# Altium PCB KAY1024_ATX.PcbDoc (part 2 of 4) (continued)
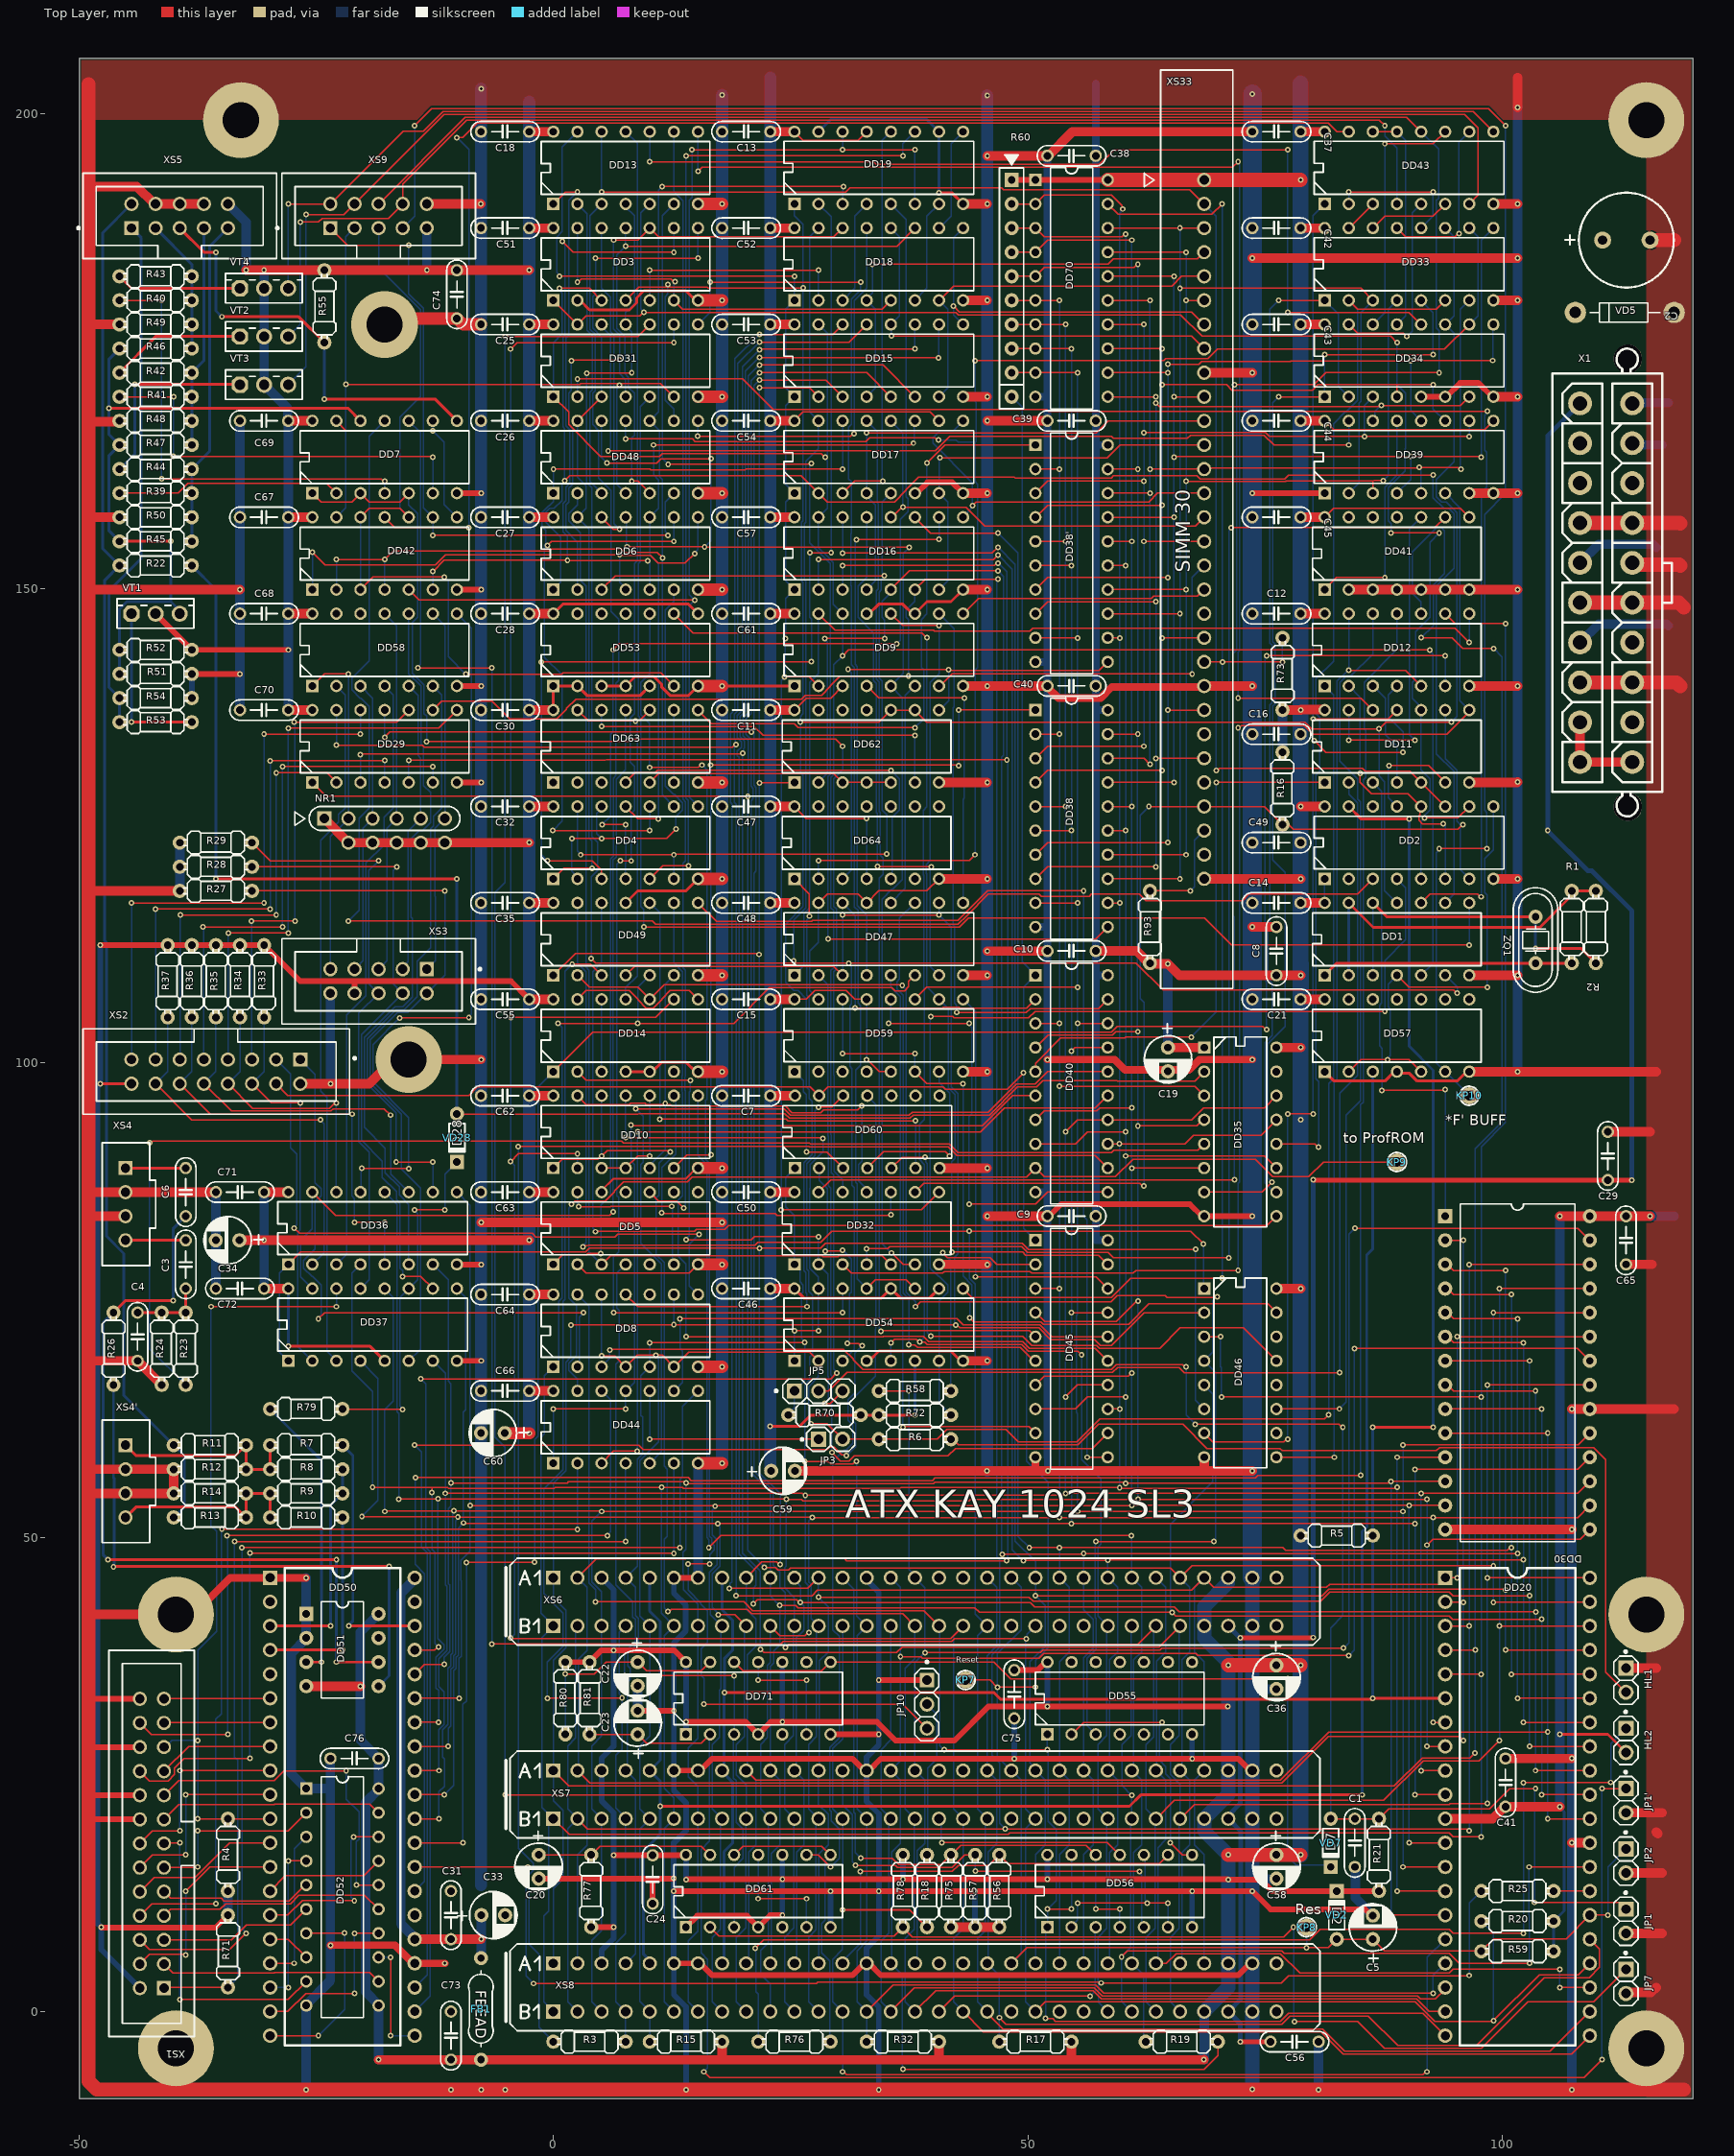
[diagram p0: Top Layer view]
## Nets (pads, with @x,y where several pads share a name; then routed paths per layer and width w, separated by ;. In a path a pad name is that pad's centre, name@x,y a point inside that pad or via, vN(x,y) a via of type N, cw(c..) or ccw(c..) an arc to the next point about the centre after c; other vN are vias at no path point) (continued)
*RFSH/: DD20.28 DD31.10 XS6.B25 XS7.B25 XS8.B25 | length 339.1
  Top Layer w0.15: v1(-5.08,22.86) -5.049,22.829 60.923,22.829 v1(60.954,22.798) ; v1(-5.08,176.53) 8.89,176.53 DD31.10@10.16,177.8 ; v1(59.873,5.763) 60.495,6.385 65.471,6.385 65.491,6.405 76.749,6.405 77.037,6.117 94.41,6.117 95.447,5.08 v1(102.87,5.08) ; v1(102.825,15.24) DD20.28@109.22,15.24
  Bottom Layer w0.15: v1(-5.08,22.86) -5.08,59.47 -6.145,60.535 -6.145,117.939 -5.089,118.996 -5.089,176.521 v1(-5.08,176.53) ; XS7.B25@60.957,20.329 60.957,22.795 v1(60.954,22.798) 59.935,23.817 59.935,28.147 60.862,29.074 60.862,40.542 XS6.B25@60.96,40.64 ; XS8.B25@60.96,0 59.873,1.087 v1(59.873,5.763) 60.853,6.743 60.853,20.213 XS7.B25@60.96,20.32 ; v1(102.825,15.24) 102.825,10.182 102.87,10.138 v1(102.87,5.08)
*RS: DD30.27 R58.2 XS6.A16 XS7.A16 XS8.A16 | length 179.8
  Top Layer w0.15: R58.2@34.29,65.405 v1(37.465,65.405) ; v1(39.152,37.831) 51.339,37.831 51.608,38.1 63.924,38.1 64.132,38.307 v1(83.271,38.307) ; v1(84.455,82.55) 107.95,82.55 DD30.27@109.22,81.28
  Bottom Layer w0.15: v1(37.465,65.405) 37.465,46.584 38.1,45.949 XS6.A16@38.1,45.72 39.152,44.668 v1@39.152,37.834 ; XS8.A16@38.1,5.08 38.345,5.325 38.345,16.935 39.125,17.715 39.125,24.375 XS7.A16@38.1,25.4 38.1,36.779 v1(39.152,37.831) ; v1(83.271,38.307) 83.837,38.873 83.837,81.932 v1(84.455,82.55)
*TURBO: DD8.4 DD8.6 DD8.12 DD12.1 DD54.2 JP3.2 R6.2 R15.2 XS6.B5 XS7.B5 XS8.B5 | length 249.2
  Top Layer w0.15: v1(5.08,69.095) 6.47,69.095 DD8.4@7.62,67.945 8.838,69.163 v1(10.817,69.163) 11.482,69.163 DD8.6@12.7,67.945 14.26,69.505 27.015,69.505 DD54.2@27.94,68.58 ; v1(27.145,61.958) 28.847,61.958 JP3.2@30.48,60.325 R6.2@34.29,60.325 40.46,60.325 41.485,61.35 47.668,61.35 48.983,60.035 55.166,60.035 57.591,62.46 81.28,62.46 v1(81.705,62.885)
  Bottom Layer w0.15: v1(5.08,69.095) DD8.12@5.08,75.565 ; R15.2@10.16,-3.175 XS8.B5@10.16,0 9.096,1.064 9.096,19.256 XS7.B5@10.16,20.32 9.135,21.345 9.135,28.005 10.16,29.03 XS6.B5@10.16,40.64 9.135,41.665 9.135,58.068 11.085,60.018 11.085,68.773 10.817,69.041 v1(10.817,69.163) ; v1(27.145,61.958) 27.145,62.08 26.89,62.335 26.89,65.84 27.94,66.89 DD54.2@27.94,68.58 ; DD12.1@81.28,139.7 82.205,138.775 82.205,98.296 81.705,97.796 v1(81.705,62.885)
*WAIT/: DD7.10 DD20.24 R20.1 XS6.B21 XS7.B21 XS8.B21 | length 309.4
  Top Layer w0.15: v1(-14.282,141.605) v1(-6.47,141.605) ; v1(-6.47,38.735) 23.966,38.735 24.246,39.015 41.979,39.015 42.261,39.297 v1(49.847,39.297) ; XS8.B21@50.8,0 51.825,1.025 90.839,1.025 92.901,-1.037 v1@99.068,-1.037 ; v1(99.068,-0.963) 103.908,3.877 108.017,3.877 DD20.24@109.22,5.08
  Bottom Layer w0.15: DD7.10@-15.24,167.64 -14.015,166.415 -14.015,141.994 -14.282,141.727 v1(-14.282,141.605) ; v1(-6.47,38.735) v1(-6.47,141.605) ; XS8.B21@50.8,0 49.775,1.025 49.775,19.295 XS7.B21@50.8,20.32 49.775,21.345 49.775,39.225 v1(49.847,39.297) 49.933,39.383 49.933,39.773 XS6.B21@50.8,40.64 ; R20.1@97.79,9.525 99.068,8.247 v1(99.068,-0.963)
*WR/: DD20.22 DD46.1 DD49.13 XS6.B19 XS7.B19 XS8.B19 | length 259.9
  Top Layer w0.15: v1(3.137,80.61) 3.223,80.697 3.612,80.697 3.691,80.775 21.229,80.775 21.548,81.094 28.178,81.094 29.333,82.249 43.824,82.249 v1@43.826,82.251 ; v1(43.828,82.249) 67.167,82.249 v1(68.506,80.91) ; XS8.B19@45.72,0 45.72,-0.178 47.392,-1.85 81.052,-1.85 83.379,-4.177 105.043,-4.177 DD20.22@109.22,0
  Bottom Layer w0.15: DD49.13@2.54,116.84 2.557,116.823 2.557,110.511 3.465,109.603 3.465,81.025 3.137,80.697 v1(3.137,80.61) ; v1(43.828,82.249) 43.828,77.285 44.45,76.662 44.45,41.91 XS6.B19@45.72,40.64 44.695,39.615 44.695,21.345 XS7.B19@45.72,20.32 45.513,20.113 45.513,8.503 44.695,7.685 44.695,1.025 XS8.B19@45.72,0 ; v1(68.506,80.91) 68.506,76.274 DD46.1@68.58,76.2
+3.3V: X1.1 X1.2 X1.11 | length 9.7
  Top Layer w1: X1.2@108.189,135.881 X1.1@108.189,131.681 X1.11@113.689,131.681
+5V: C2.1 C7.1 C8.1 C9.1 C10.1 C11.1 C12.1 C13.1 C14.1 C15.1 C16.1 C18.1 C19.1 C21.1 C24.1 C25.1 C26.1 C27.1 C28.1 C30.1 C32.1 C34.1 C35.1 C36.1 C37.1 C38.1 C39.1 C40.1 C41.1 C42.1 C43.1 C44.1 C45.1 C46.1 C47.1 C48.1 C49.1 C50.1 C51.1 C52.1 C53.1 C54.1 C55.1 C57.1 C58.1 C59.1 C60.1 C61.1 C62.1 C63.1 C64.1 C65.1 C66.1 C67.1 C68.1 C69.1 C70.1 C71.1 C72.1 C73.1 C74.1 C75.1 C76.1 DD1.14 DD2.1 DD2.16 DD3.14 DD4.14 DD5.14 DD6.14 DD7.14 DD8.14 DD9.3 DD9.16 DD10.14 DD11.14 DD12.14 DD13.14 DD14.14 DD15.16 DD16.16 DD17.10 DD17.16 DD18.16 DD19.13 DD19.16 DD20.11 DD29.14 DD30.28 DD31.14 DD32.14 DD33.16 DD34.16 DD35.1 DD35.16 DD36.16 DD37.5 DD37.16 DD38'.20 DD38.20 DD39.9 DD39.16 DD40.20 DD41.8 DD41.14 DD42.14 DD43.16 DD44.14 DD45.20 DD46.16 DD47.16 DD48.14 DD49.14 DD51.4 DD51.8 DD52.11 DD52.20 DD53.1 DD53.2 DD53.5 DD53.8 DD53.14 DD54.6 DD54.10 DD54.12 DD54.16 DD55.14 DD56.14 DD57.14 DD58.14 DD59.5 DD59.13 DD59.16 DD60.14 DD61.1 DD61.4 DD61.10 DD61.14 DD62.14 DD63.14 DD64.4 DD64.14 DD70.1 DD70.20 DD71.1 DD71.4 DD71.10 DD71.14 FB1.2 HL2.2 NR1.1 R4.2 R5.2 R15.1 R16.2 R17.1 R20.2 R21.1 R32.1 R33.2 R34.2 R35.2 R36.2 R37.2 R52.1 R55.1 R59.1 R60.1 R70.1 R71.2 R72.2 R73.2 R77.1 R78.2 R80.2 R81.2 R93.2 VD2.2 VD5.2 VT1.K VT2.K VT3.K VT4.K X1.4 X1.6 X1.19 X1.20 XS1.2 XS2.16 XS3.8 XS5.10 XS6.A3 XS6.A29 XS6.B28 XS7.A3 XS7.A29 XS7.B28 XS8.A3 XS8.A29 XS8.B28 XS9.9 XS33.1 XS33.30 | length 1943.9
  Top Layer w0.15: DD59.16@25.4,106.68 26.632,106.68 27.557,107.605 30.863,107.605 31.788,106.68 DD59.13@33.02,106.68 ; DD64.14@25.4,127 26.67,125.73 v1(33.02,125.73) ; DD62.14@25.4,137.16 26.67,138.43 29.21,138.43 DD9.3@30.48,139.7 ; DD17.16@25.4,167.64 26.325,168.565 39.715,168.565 DD17.10@40.64,167.64 ; DD19.16@25.4,198.12 26.325,197.195 32.095,197.195 DD19.13@33.02,198.12 ; v1(33.02,100.33) 33.058,100.33 34.328,99.06 DD59.5@35.56,99.06 ; DD41.14@81.28,157.48 82.205,158.405 95.595,158.405 DD41.8@96.52,157.48 ; DD39.16@81.28,167.64 82.205,166.715 98.135,166.715 DD39.9@99.06,167.64
  Top Layer w0.3: v1(-47.726,97.79) XS2.16@-44.45,97.79 ; v1(-27.94,70.105) -19.305,70.105 DD37.5@-17.78,68.58 ; DD63.14@0,137.16 DD53.1@0,139.7 DD53.2@2.54,139.7 3.54,138.7 9.16,138.7 DD53.5@10.16,139.7 ; DD53.14@0,147.32 1,148.32 14.24,148.32 DD53.8@15.24,147.32 ; v1(22.86,61.661) 25.929,61.661 27.133,62.865 R70.1@32.385,62.865 R72.2@34.29,62.865 v1(38.1,62.865) ; DD54.16@25.4,76.2 26.4,75.2 34.56,75.2 DD54.12@35.56,76.2 36.56,75.2 39.64,75.2 DD54.10@40.64,76.2 ; v1(106.045,29.21) 111.125,29.21 HL2.2@113.03,27.305
  Top Layer w0.6: v1(-47.726,112.395) R37.2@-40.64,112.395 R36.2@-38.1,112.395 R35.2@-35.56,112.395 R34.2@-33.02,112.395 R33.2@-30.48,112.395 -26.686,108.601 -20.955,108.601 ; v1(-47.625,8.89) -47.581,8.846 -35.604,8.846 R4.2@-34.29,10.16 ; VT1.K@-41.91,147.32 R52.1@-38.1,143.51 v1(-27.937,143.51) ; XS3.8@-20.955,107.315 -20.955,108.601 ; C55.1@-2.621,106.68 -2.621,106.761 -4.461,108.601 -20.955,108.601 ; R80.2@1.27,36.83 R81.2@3.81,36.83 5.06,38.08 v1(6.35,38.08) 12.72,38.08 DD71.14@13.97,36.83 ; R77.1@3.992,8.89 v1(6.35,8.89) ; v1(6.35,16.468) 6.353,16.464 C24.1@10.471,16.464 10.494,16.487 13.947,16.487 DD61.14@13.97,16.51 ; DD61.1@13.97,8.89 15.169,10.089 20.391,10.089 DD61.4@21.59,8.89 22.86,10.16 v1(24.13,10.16) ; v1(13.97,30.529) 20.271,30.529 DD71.4@21.59,29.21 22.909,30.529 v1(24.13,30.529) 34.103,30.529 36.061,28.57 42.271,28.57 45.863,32.162 v1(52.073,32.162) 71.09,32.162 v1(71.093,32.16) ; v1(13.98,13.905) 14.045,13.97 v1(24.13,13.97) v1(36.83,13.97) v1(52.07,13.97) 71.055,13.97 v1(71.12,13.905) 74.537,13.905 75.742,12.7 VD2.2@82.55,12.7 R21.1@86.995,12.7 ; R60.1@48.299,193.04 DD70.1@50.8,193.04 DD70.20@58.42,193.04 ; C75.1@48.573,35.979 51.03,35.979 51.881,36.83 DD55.14@52.07,36.83
  Top Layer w1: C34.1@-33.077,81.283 -33.073,81.28 v1(-30.48,81.28) v1(-2.537,81.28) ; v1(-32.385,183.528) -32.372,183.515 v1(-30.48,183.515) ; C72.1@-30.48,76.2 DD37.16@-27.94,76.2 ; C71.1@-30.48,86.36 DD36.16@-27.94,86.36 ; v1@-30.467,183.528 -24.143,183.528 R55.1@-24.13,183.515 ; C70.1@-27.94,137.16 DD29.14@-25.4,137.16 ; C68.1@-27.94,147.32 DD58.14@-25.4,147.32 ; C67.1@-27.94,157.48 DD42.14@-25.4,157.48 ; C69.1@-27.94,167.64 DD7.14@-25.4,167.64 ; DD51.4@-26.035,34.29 v1(-20.347,34.29) ; NR1.1@-24.13,125.73 NR1.1@-21.59,123.19 NR1.1@-19.05,123.19 NR1.1@-16.51,123.19 NR1.1@-13.97,123.19 NR1.1@-11.43,123.19 v1(-2.537,123.19) ; R55.1@-24.117,183.528 -13.348,183.528 v1(-13.335,183.515) C74.1@-10.16,183.515 v1(-2.557,183.515) ; v1(-18.415,-5.08) C73.1@-10.795,-5.08 FB1.2@-7.62,-5.08 17.78,-5.08 ; C55.1@-2.621,106.68 C55.1@-2.54,106.68 DD14.14@0,106.68 ; C66.1@-2.54,65.405 DD44.14@0,65.405 ; C64.1@-2.54,75.565 DD8.14@0,75.565 ; C63.1@-2.54,86.363 -2.537,86.36 -0.003,86.36 DD5.14@0,86.363 ; C62.1@-2.54,96.52 DD10.14@0,96.52 ; C35.1@-2.54,116.84 DD49.14@0,116.84 ; C32.1@-2.54,127 DD4.14@0,127 ; C30.1@-2.54,137.16 DD63.14@0,137.16 ; C28.1@-2.54,147.32 DD53.14@0,147.32 ; C27.1@-2.54,157.48 DD6.14@0,157.48 ; C26.1@-2.54,167.64 DD48.14@0,167.64 ; C25.1@-2.54,177.8 DD31.14@-0.017,177.8 ; C51.1@-2.54,187.96 DD3.14@0,187.96 ; C18.1@-2.54,198.12 DD13.14@0,198.12 ; R15.1@17.78,-3.175 17.78,-5.08 ; C46.1@22.86,76.2 DD54.16@25.4,76.2 ; C50.1@22.86,86.36 DD32.14@25.4,86.36 ; C7.1@22.86,96.52 DD60.14@25.4,96.52 ; C15.1@22.86,106.68 DD59.16@25.4,106.68 ; C48.1@22.86,116.84 DD47.16@25.4,116.84 ; C47.1@22.86,127 DD64.14@25.4,127 ; C11.1@22.86,137.16 DD62.14@25.4,137.16 ; C61.1@22.86,147.32 DD9.16@25.4,147.32 ; C57.1@22.86,157.48 DD16.16@25.4,157.48 ; C54.1@22.86,167.64 DD17.16@25.4,167.64 ; C53.1@22.86,177.8 DD15.16@25.4,177.8 ; C52.1@22.86,187.96 DD18.16@25.4,187.96 ; C13.1@22.86,198.12 DD19.16@25.4,198.12 ; R32.1@40.64,-3.175 40.64,-5.08 ; R17.1@54.61,-3.175 54.61,-5.08 ; C10.1@57.15,111.77 61.45,111.77 62.73,110.49 R93.2@62.865,110.49 62.942,110.413 v1(64.767,110.413) 65.96,109.22 C8.1@76.2,109.22 v1(78.74,109.22) ; C19.1@64.77,101.6 DD35.1@68.58,101.6 ; v1(68.566,-5.08) 54.61,-5.08 ; XS33.30@68.58,119.38 v1(78.74,119.38) ; DD46.16@76.2,76.2 v1(78.74,76.2) ; DD35.16@76.2,101.6 v1(78.74,101.6) ; R73.2@76.835,137.16 v1(78.74,137.16) 78.809,137.229 80.504,137.229 80.516,137.217 81.223,137.217 DD11.14@81.28,137.16 ; C21.1@78.74,106.68 DD57.14@81.28,106.68 ; C14.1@78.74,116.84 DD1.14@81.28,116.84 ; v1(78.74,127) DD2.16@81.28,127 ; C12.1@78.74,147.32 DD12.14@81.28,147.32 ; C45.1@78.74,157.48 DD41.14@81.28,157.48 ; C44.1@78.74,167.64 DD39.16@81.28,167.64 ; C43.1@78.74,177.8 DD34.16@81.28,177.8 ; C42.1@78.74,187.96 DD33.16@81.28,187.96 ; C37.1@78.74,198.12 DD43.16@81.28,198.12 ; DD20.11@93.98,20.32 98.979,20.32 100.249,21.59 C41.1@100.33,21.59 v1(106.045,21.59) ; v1(106.045,83.82) DD30.28@109.22,83.82 C65.1@113.03,83.82 v1(115.57,83.82) ; 17.78,-5.08 40.64,-5.08 ; 40.64,-5.08 54.61,-5.08
  Top Layer w1.3: C60.1@-5.12,60.96 -5.107,60.947 v1(-2.54,60.947)
  Top Layer w1.5: DD70.20@58.42,193.04 XS33.1@68.58,193.04 v1(78.74,193.04) ; v1(71.12,16.51) C58.1@76.2,16.51 v1(78.74,16.51) ; v1(71.12,36.49) C36.1@76.2,36.49 v1(78.74,36.49)
  Bottom Layer w0.15: v1(33.02,100.33) DD59.13@33.02,106.68 ; DD64.4@33.02,119.38 v1(33.02,125.73) ; DD1.14@81.28,116.84 DD2.1@81.28,119.38
  Bottom Layer w0.3: v1(-27.94,70.105) DD37.16@-27.94,76.2 ; v1(38.1,62.865) 38.1,64.7 38.115,64.715 38.115,66.412 38.1,66.427 DD54.6@38.1,68.58 ; R59.1@105.41,6.35 R20.2@105.41,9.525 106.51,10.625 106.51,21.044 106.045,21.509 v1(106.045,21.59)
  Bottom Layer w0.6: v1(-47.726,112.395) v1(-47.726,97.79) -48.055,97.461 -48.055,9.32 v1(-47.625,8.89) -47.625,6.525 XS1.2@-43.576,2.476 ; XS8.A3@5.08,5.08 5.08,6.426 6.35,7.696 6.35,20.955 5.08,22.225 XS7.A3@5.08,25.4 5.08,26.7 6.35,27.97 v1(6.35,38.08) 6.35,44.45 XS6.A3@5.08,45.72 ; DD61.14@13.97,16.51 13.977,16.503 13.977,13.908 v1(13.98,13.905) ; DD71.1@13.97,29.21 v1(13.97,30.529) DD71.14@13.97,36.83 ; v1(24.13,10.16) v1(24.13,13.97) DD61.10@24.13,16.51 ; v1(24.13,30.529) DD71.10@24.13,36.83 ; v1(36.83,13.97) R78.2@36.83,16.51 ; v1(52.07,13.97) DD56.14@52.07,16.51 ; DD55.14@52.07,36.83 52.07,32.165 v1(52.073,32.162)
  Bottom Layer w0.8: 57.15,137.16 DD38.20@58.42,137.16 ; 57.15,165.1 DD38'.20@58.42,165.1 ; 57.15,193.04 DD70.20@58.42,193.04 ; 57.15,203.2 C38.1@57.15,195.58 C39.1@57.15,167.643 C40.1@57.15,139.707 C10.1@57.15,111.77 57.15,109.22 ; DD45.20@58.42,81.28 57.15,81.28 57.15,109.22 ; DD40.20@58.42,109.22 57.15,109.22
  Bottom Layer w1: R4.2@-34.29,10.16 R71.2@-34.29,12.7 ; XS5.10@-34.29,190.5 -32.385,188.595 v1(-32.385,183.528) ; C72.1@-30.48,76.2 v1(-30.48,81.28) C71.1@-30.48,86.36 ; v1(-30.48,183.515) VT4.K@-30.48,181.61 VT2.K@-30.48,176.53 VT3.K@-30.48,171.45 -27.997,168.967 -27.997,167.697 C69.1@-27.94,167.64 ; C69.1@-27.997,167.501 -27.94,167.501 C67.1@-27.94,157.48 C68.1@-27.94,147.32 C70.1@-27.94,137.16 ; v1(-18.415,-5.08) DD52.11@-18.415,0.635 -18.415,0.716 -19.765,2.066 -19.765,22.064 -18.415,23.414 DD52.20@-18.415,23.495 C76.1@-18.415,26.67 -20.347,28.602 v1(-20.347,34.29) -20.347,39.978 DD51.8@-18.415,41.91 ; v1(-13.335,183.515) XS9.9@-13.335,187.96 ; v1(64.767,110.413) 64.77,110.41 C19.1@64.77,101.6 ; v1(68.566,-5.08) 68.58,-5.065 XS8.B28@68.58,0 ; R16.2@76.835,132.715 R73.2@76.835,137.16 ; v1(106.045,21.59) v1(106.045,29.21) v1(106.045,83.82) ; X1.4@108.189,144.281 110.139,146.231 117.294,146.231 117.475,146.05 ; X1.6@108.189,152.681 110.139,154.631 115.879,154.631 116.205,154.305 ; X1.19@113.689,165.281 113.87,165.1 116.84,165.1 ; X1.20@113.689,169.481 113.753,169.545 117.475,169.545 ; v1(115.57,83.82) 118.11,83.82
  Bottom Layer w1.3: v1(-2.54,60.947) C66.1@-2.54,65.405 C64.1@-2.54,75.565 C63.1@-2.54,86.36 C62.1@-2.54,96.52 C55.1@-2.54,106.68 C35.1@-2.54,116.84 C32.1@-2.54,127 C30.1@-2.54,137.16 C28.1@-2.54,147.32 C27.1@-2.54,157.48 C26.1@-2.54,167.64 C25.1@-2.54,177.8 C51.1@-2.54,187.96 C18.1@-2.54,198.12 -2.537,198.123 -2.537,201.295 ; C59.1@22.86,57.053 C46.1@22.86,76.2 C50.1@22.86,86.36 C7.1@22.86,96.52 C15.1@22.86,106.68 C48.1@22.86,116.84 C47.1@22.86,127 C11.1@22.86,137.16 C61.1@22.86,147.32 C57.1@22.86,157.48 C54.1@22.86,167.64 C53.1@22.86,177.8 C52.1@22.86,187.96 C13.1@22.86,198.12 22.86,203.835
  Bottom Layer w1.5: XS8.B28@68.58,0 71.12,2.54 XS8.A29@71.12,5.08 v1(71.12,16.51) 68.58,19.05 XS7.B28@68.58,20.32 71.12,22.86 XS7.A29@71.12,25.4 v1(71.12,36.49) ; v1(71.093,32.16) 71.12,32.187 v1(71.12,36.49) ; XS6.A29@71.12,45.72 71.063,45.663 71.063,45.143 68.58,42.66 XS6.B28@68.58,40.64 68.58,39.37 71.12,36.83 v1(71.12,36.49)
  Bottom Layer w1.7: v1(78.74,16.51) v1(78.74,76.2) v1(78.74,93.98) v1(78.74,101.6) C21.1@78.74,106.68 78.743,106.683 v1@78.743,109.223 ; v1(78.74,109.22) v1@78.743,109.223 ; 78.74,203.2 C37.1@78.74,198.12 v1(78.74,193.04) C42.1@78.74,187.96 C43.1@78.74,177.8 C44.1@78.74,167.64 C45.1@78.74,157.48 C12.1@78.74,147.32 v1(78.74,137.16) C16.1@78.74,134.62 v1(78.74,127) C49.1@78.74,123.19 v1(78.74,119.38) C14.1@78.74,116.84 78.74,110.416 78.743,110.413 v1@78.743,109.223
+5VA: C31.1 C33.1 DD50.25 DD50.40 FB1.1 | length 50.8
  Top Layer w1: DD50.25@-14.605,7.62 C31.1@-10.795,7.62 v1(-7.62,7.62)
  Bottom Layer w1: DD50.25@-14.605,7.62 -14.605,7.762 -16.067,9.224 -16.067,44.116 -14.605,45.578 DD50.40@-14.605,45.72 ; FB1.1@-7.62,5.636 -7.6,5.656 -7.6,10.14 C33.1@-7.58,10.16
+12V*: C29.2 C56.1 X1.10 XS6.B29 XS7.B29 XS8.B29 | length 226.4
  Top Layer w0.5: v1(72.373,39.387) 72.384,39.399 80.078,39.399 v1(80.09,39.41) ; v1(72.39,-3.175) C56.1@75.565,-3.175 ; v1(80.09,87.663) 80.117,87.663 80.15,87.63 C29.2@111.125,87.63 v1(113.665,87.63)
  Bottom Layer w0.5: XS6.B29@71.12,40.64 v1(72.373,39.387) 72.373,21.897 71.12,20.645 XS7.B29@71.12,20.32 72.46,18.98 72.46,1.34 XS8.B29@71.12,0 72.39,-1.27 v1(72.39,-3.175) ; v1(80.09,39.41) v1(80.09,87.663) ; X1.10@108.189,169.481 104.775,166.067 v1(104.775,124.46) 109.006,120.229 109.434,120.229 113.665,115.997 v1(113.665,87.63)
/FIRE: DD37.3 DD58.2 | length 73.3
  Bottom Layer w0.15: DD37.3@-22.86,68.58 -23.875,69.595 -23.875,96.356 -24.52,97.001 -24.52,123.451 -22.615,125.356 -22.615,126.155 -21.935,126.835 -21.935,138.775 DD58.2@-22.86,139.7
A: DD2.4 DD54.7 R72.1 | length 107.2
  Top Layer w0.15: v1(39.767,104.875) 42.09,104.875 42.249,104.716 50.068,104.716 50.762,105.41 v1(87.63,105.41)
  Bottom Layer w0.15: v1(39.767,104.875) 39.715,104.823 39.715,95.857 39.726,95.846 39.726,87.036 39.715,87.026 39.715,78.357 40.602,77.47 40.678,77.47 41.565,76.583 41.565,75.817 40.64,74.892 DD54.7@40.64,68.58 40.64,64.135 R72.1@41.91,62.865 ; v1(87.63,105.41) 87.63,110.761 89.825,112.956 89.825,118.455 DD2.4@88.9,119.38
A14: DD16.10 DD47.4 | length 57.5
  Top Layer w0.15: v1(31.93,155.12) 31.946,155.136 40.623,155.136 v1(40.639,155.151)
  Bottom Layer w0.15: v1(31.93,155.12) 31.93,154.998 31.795,154.863 31.795,141.97 32.005,141.76 32.005,116.547 33.02,115.532 DD47.4@33.02,109.22 ; v1@40.639,155.152 DD16.10@40.64,157.48
A15: DD16.13 DD47.7 | length 55.6
  Top Layer w0.15: v1(34.156,120.685) 34.184,120.656 39.82,120.656 v1(39.848,120.628)
  Bottom Layer w0.15: DD16.13@33.02,157.48 33.02,151.168 32.095,150.243 32.095,146.937 33.735,145.297 33.735,140.293 34.035,139.993 34.035,126.368 34.156,126.248 v1(34.156,120.685) ; v1(39.848,120.628) 39.848,120.506 39.715,120.373 39.715,110.145 DD47.7@40.64,109.22
ABLU: R41.2 R42.1 R47.2 R48.2 XS5.7 | length 23.4
  Bottom Layer w0.3: R47.2@-38.1,165.1 R48.2@-38.1,167.64 R41.2@-38.1,170.18 R42.1@-38.1,172.72 -36.83,173.99 XS5.7@-36.83,187.96
AGRE: R40.2 R43.1 R46.2 R49.2 XS5.3 | length 14.3
  Bottom Layer w0.3: XS5.3@-41.91,187.96 -38.1,184.15 R43.1@-38.1,182.88 R40.2@-38.1,180.34 R49.2@-38.1,177.8 R46.2@-38.1,175.26
AQ6: DD9.10 DD40.19 | length 59.4
  Top Layer w0.15: v1(42.487,105.291) 49.835,105.291 50.254,105.71 57.45,105.71 DD40.19@58.42,106.68
  Bottom Layer w0.15: DD9.10@40.64,147.32 42.226,145.734 42.226,137.502 42.124,137.4 42.124,114.511 42.255,114.379 42.255,106.297 42.487,106.065 v1(42.487,105.291)
AQ7: DD9.12 DD45.19 DD59.10 | length 90.6
  Top Layer w0.15: DD9.12@35.56,147.32 36.81,146.07 v1(40.64,146.07) ; v1(41.984,80.04) 49.457,80.04 49.776,79.721 57.439,79.721 DD45.19@58.42,78.74
  Bottom Layer w0.15: v1(40.64,146.07) 40.64,141.008 39.715,140.083 39.715,121.308 39.273,120.866 39.273,119.939 39.325,119.887 39.325,107.995 DD59.10@40.64,106.68 41.612,105.708 41.612,97.344 42.329,96.627 42.329,89.932 41.984,89.587 v1(41.984,80.04)
ARED: R39.2 R44.1 R45.2 R50.2 XS5.9 | length 34.6
  Bottom Layer w0.3: R45.2@-38.1,154.94 R50.2@-38.1,157.48 R39.2@-38.1,160.02 R44.1@-38.1,162.56 -36.21,164.45 -36.21,186.04 XS5.9@-34.29,187.96
AUDIO: R11.1 R13.1 R22.2 XS5.2 | length 145
  Bottom Layer w0.3: XS5.2@-44.45,190.5 -47.47,187.48 -47.47,154.15 R22.2@-45.72,152.4 -47.27,150.85 -47.27,112.858 -47.076,112.664 -47.076,81.715 -45.255,79.894 -45.255,64.94 R11.1@-40.005,59.69 -38.905,58.59 -38.905,53.17 R13.1@-40.005,52.07
AUDIO': DD35.2 R22.1 VD28.1 | length 166.3
  Top Layer w0.15: VD28.1@-10.16,94.568 8.928,94.568 8.988,94.628 24.399,94.628 24.881,94.146 37.601,94.146 37.938,94.483 45.952,94.483 48.914,97.445 50.917,97.445 51.557,98.085 59.416,98.085 59.426,98.075 67.595,98.075 DD35.2@68.58,99.06 ; VD28.1@-10.16,95.297 -10.16,95.239 -9.885,94.963 -9.812,94.963 -9.812,94.89 -9.536,94.615 VD28.1@-9.463,94.615
  Top Layer w0.3: v1(-35.56,119.38) v1(-10.16,119.38)
  Bottom Layer w0.3: R22.1@-38.1,152.4 -35.56,149.86 v1(-35.56,119.38) ; VD28.1@-10.16,94.615 v1(-10.16,119.38)
BC: DD3.8 DD4.1 DD6.13 DD31.3 DD48.13 | length 85.8
  Top Layer w0.15: DD4.1@0,119.38 1.114,120.494 v1(4.073,120.494) ; DD48.13@2.54,167.64 DD31.3@5.08,170.18 ; v1(4.445,184.785) v1(15.24,184.785)
  Bottom Layer w0.15: DD48.13@2.54,167.64 2.54,161.711 3.465,160.786 3.465,158.405 DD6.13@2.54,157.48 3.765,156.255 3.765,123.715 4.073,123.407 v1(4.073,120.494) ; v1(4.445,184.785) 4.445,181.013 4.155,180.723 4.155,177.417 5.08,176.492 DD31.3@5.08,170.18 ; v1(15.24,184.785) DD3.8@15.24,187.96
BK/: DD5.3 DD32.5 DD48.2 | length 114.5
  Top Layer w0.15: DD5.3@5.08,78.74 6.005,79.665 28.313,79.665 28.323,79.665 28.434,79.554 29.986,79.554 30.097,79.665 34.635,79.665 DD32.5@35.56,78.74
  Bottom Layer w0.15: DD48.2@2.54,160.02 2.54,158.788 1.615,157.863 1.615,157.097 2.84,155.872 2.84,150.868 3.465,150.243 3.465,123.591 3.465,116.132 3.426,116.093 3.426,110.067 3.765,109.727 3.765,80.055 DD5.3@5.08,78.74
BRD: DD33.10 DD34.10 DD48.11 DD64.2 | length 174.9
  Top Layer w0.15: v1(7.62,165.735) 14.661,165.735 14.951,165.445 32.908,165.445 33.338,165.875 40.197,165.875 40.444,165.628 v1(40.566,165.628) ; v1(27.94,121.297) 43.827,121.297 v1(44.45,121.92) ; v1(44.45,173.99) 64.337,173.99 64.532,174.185 68.955,174.185 69.97,175.2 93.92,175.2 DD34.10@96.52,177.8
  Bottom Layer w0.15: v1(7.62,165.735) DD48.11@7.62,167.64 ; DD64.2@27.94,119.38 v1(27.94,121.297) ; v1(40.566,165.628) 42.448,165.628 42.69,165.386 44.45,165.386 ; v1(44.45,121.92) 44.45,141.368 44.731,141.65 44.731,160.976 44.45,161.257 44.45,165.386 ; v1(44.45,173.99) 44.45,169.672 44.538,169.584 44.538,165.474 44.45,165.386 ; DD34.10@96.52,177.8 97.445,178.725 97.445,187.035 DD33.10@96.52,187.96
BRD0: DD33.2 DD33.6 DD35.12 | length 107.5
  Top Layer w0.15: DD35.12@76.2,91.44 80.23,91.44 80.557,91.113 v1(80.645,91.113) ; DD33.2@83.82,180.34 84.745,179.415 93.055,179.415 DD33.6@93.98,180.34
  Bottom Layer w0.15: v1(80.645,91.113) 80.665,91.133 80.665,97.986 80.355,98.296 80.355,130.304 80.77,130.718 80.77,136.362 80.355,136.777 80.355,140.464 82.205,142.314 82.205,167.333 83.437,168.565 83.513,168.565 84.745,169.797 84.745,179.415 DD33.2@83.82,180.34
BRD1: DD33.1 DD34.2 DD35.10 | length 111.9
  Top Layer w0.15: v1(76.431,180.34) DD33.1@81.28,180.34
  Bottom Layer w0.15: DD35.10@76.2,86.36 75.959,86.36 74.975,87.344 74.975,102.107 75.735,102.867 75.735,108.377 75.275,108.837 75.275,114.683 75.51,114.918 75.51,137.709 75.735,137.934 75.735,144.006 75.51,144.231 75.51,179.419 v1(76.431,180.34) ; DD33.1@81.28,180.34 82.727,178.893 82.727,171.273 DD34.2@83.82,170.18
BRD2: DD33.5 DD34.1 DD35.7 | length 119.3
  Top Layer w0.15: DD35.7@68.58,86.36 74.678,86.36 v1(75.725,87.407) ; v1(76.431,170.18) DD34.1@81.28,170.18 ; v1(81.28,174.625) v1(92.71,174.625)
  Bottom Layer w0.15: v1(75.725,87.407) 75.275,87.857 75.275,101.983 77.125,103.833 77.125,120.051 75.81,121.366 75.81,137.585 76.035,137.81 76.035,144.13 75.81,144.355 75.81,169.559 v1(76.431,170.18) ; DD34.1@81.28,170.18 v1(81.28,174.625) ; DD33.5@91.44,180.34 92.71,179.07 v1(92.71,174.625)
BUSY: DD37.14 DD50.11 R71.1 XS1.21 | length 81.6
  Top Layer w0.15: v1(-37.465,20.32) R71.1@-34.29,20.32 DD50.11@-29.845,20.32 ; v1(-36.066,74.295) v1(-22.86,74.295)
  Bottom Layer w0.15: XS1.21@-41.036,27.876 -40.883,27.876 -40.184,28.575 v1(-37.465,28.575) ; v1(-37.465,20.32) v1(-37.465,28.575) ; v1(-36.066,74.295) -36.066,51.202 -35.491,50.626 -35.491,40.075 -37.465,38.101 v1(-37.465,28.575) ; v1(-22.86,74.295) DD37.14@-22.86,76.2
C1: DD12.6 DD14.1 DD50.29 | length 233.3
  Top Layer w0.15: DD50.29@-14.605,17.78 v1(-9.525,17.78) ; v1(-9.15,47.308) -9.122,47.336 -1.994,47.336 v1(-1.966,47.364) ; DD14.1@0,99.06 4.155,103.215 51.183,103.215 58.037,103.215 58.803,103.215 59.429,103.841 74.748,103.841 75.079,103.51 v1(75.16,103.51) ; v1(75.16,142.897) 75.171,142.886 93.969,142.886 v1(93.98,142.875)
  Bottom Layer w0.15: v1(-9.525,17.78) -9.525,32.356 -9.15,32.732 v1(-9.15,47.308) ; v1(-1.966,47.364) -1.966,60.284 -1.615,60.635 -1.615,97.445 DD14.1@0,99.06 ; v1(75.16,103.51) 75.16,108.528 74.975,108.713 74.975,142.59 75.16,142.775 v1(75.16,142.897) ; DD12.6@93.98,139.7 v1(93.98,142.875)
C#FF: DD38'.11 DD62.8 DD64.3 | length 55.1
  Top Layer w0.15: v1(31.055,141.473) 31.088,141.44 41.618,141.44 v1(41.651,141.408) 41.772,141.408 41.865,141.315 57.495,141.315 DD38'.11@58.42,142.24
  Bottom Layer w0.15: DD64.3@30.48,119.38 31.405,120.305 31.405,141.08 31.055,141.43 v1(31.055,141.473) ; DD62.8@40.64,137.16 41.651,138.171 v1(41.651,141.408)
CAS/: DD2.11 DD11.5 DD13.12 XS33.2 | length 156.9
  Top Layer w0.15: v1(5.08,191.77) 30.801,191.77 31.256,192.225 47.225,192.225 47.435,192.015 67.065,192.015 XS33.2@68.58,190.5 ; v1(69.85,130.81) 69.972,130.81 70.208,131.046 85.248,131.046 85.565,130.73 90.25,130.73 DD11.5@91.44,129.54 DD2.11@93.98,127
  Bottom Layer w0.15: v1(5.08,191.77) DD13.12@5.08,198.12 ; XS33.2@68.58,190.5 69.85,189.23 v1(69.85,130.81)
CG/: DD31.6 DD42.13 DD48.4 XS9.3 | length 78.6
  Top Layer w0.15: v1(-21.876,171.488) 2.775,171.488 2.881,171.594 v1@6.839,171.594 ; v1(6.967,171.418) 6.967,171.466 v1@6.839,171.594 ; DD31.6@12.7,170.18 11.286,171.594 v1@6.839,171.594
  Bottom Layer w0.15: DD42.13@-22.86,157.48 -21.876,158.464 v1(-21.876,171.488) -21.876,187.039 XS9.3@-20.955,187.96 ; v1(6.967,171.418) 6.967,171.296 6.695,171.025 6.695,160.945 DD48.4@7.62,160.02
CLC: DD32.4 DD41.9 | length 140.5
  Top Layer w0.15: v1(33.02,80.405) 35.254,80.405 35.464,80.615 49.352,80.615 49.946,80.021 58.447,80.021 59.037,79.432 v1(71.186,79.432) ; v1(71.41,156.4) 71.424,156.414 92.914,156.414 DD41.9@93.98,157.48
  Bottom Layer w0.15: DD32.4@33.02,78.74 v1(33.02,80.405) ; v1(71.186,79.432) 71.185,156.053 71.41,156.278 v1(71.41,156.4)
CLC/: DD11.8 DD32.3 DD39.6 | length 149.6
  Top Layer w0.15: DD32.3@30.48,78.74 31.405,77.815 41.023,77.815 41.215,78.006 50.225,78.006 50.417,77.815 61.083,77.815 61.373,78.105 v1(72.16,78.105) ; v1(72.16,135.315) 72.282,135.315 72.512,135.545 79.123,135.545 80.059,134.609 94.148,134.609 96.52,136.982 DD11.8@96.52,137.16
  Bottom Layer w0.15: v1(72.16,78.105) 72.16,87.273 72.335,87.448 72.335,135.018 72.16,135.193 v1(72.16,135.315) ; DD39.6@93.98,160.02 95.505,158.495 95.505,138.175 DD11.8@96.52,137.16
CSRAM/: DD10.6 DD38.1 | length 85.7
  Top Layer w0.15: DD10.6@12.7,88.9 14.077,90.277 v1(16.63,90.277) ; v1(16.572,131.374) 16.583,131.385 42.635,131.385 v1(42.699,131.322) ; v1(42.724,137.187) 50.773,137.187 DD38.1@50.8,137.16
  Bottom Layer w0.15: v1(16.572,131.374) 16.601,131.345 16.601,90.306 v1(16.63,90.277) ; v1(42.699,131.322) 42.711,131.334 42.711,137.174 v1(42.724,137.187)
D: DD36.10 DD58.6 | length 62.6
  Top Layer w0.15: v1(-16.57,89.535) v1(-12.7,89.535)
  Bottom Layer w0.15: v1(-16.57,89.535) -16.57,94.709 -19.615,97.754 -19.615,102.531 -16.562,105.584 -15.732,105.584 -14.36,106.956 -14.36,110.719 -12.945,112.134 -12.945,124.639 -12.645,124.939 -12.645,125.965 -11.775,126.835 -11.775,138.775 DD58.6@-12.7,139.7 ; DD36.10@-12.7,86.36 v1(-12.7,89.535)
DBLUE: DD43.4 VT2.B XS9.8 | length 141.6
  Top Layer w0.15: v1(-26.67,188.595) -24.749,188.595 -24.359,188.985 -17.39,188.985 XS9.8@-15.875,190.5 -15.875,192.586 -9.116,199.345 87.04,199.345 v1(87.63,198.755)
  Bottom Layer w0.15: VT2.B@-27.94,176.53 -26.67,177.8 v1(-26.67,188.595) ; v1(87.63,198.755) 87.63,197.663 88.9,196.393 DD43.4@88.9,190.5
DBRI: DD32.13 DD43.12 XS9.6 | length 291.2
  Top Layer w0.15: XS9.6@-18.415,190.5 -9.27,199.645 89.915,199.645 DD43.12@91.44,198.12 ; DD32.13@27.94,86.36 29.232,87.652 71.726,87.652 v1(71.76,87.686) ; v1(71.76,171.45) 80.134,171.45 81.404,172.72 v1(93.345,172.72)
  Bottom Layer w0.15: v1(71.76,87.686) 71.76,115.365 71.585,115.54 71.585,143.122 71.985,143.522 71.985,171.103 71.76,171.328 v1(71.76,171.45) ; DD43.12@91.44,198.12 93.285,196.275 93.285,191.113 93.055,190.883 93.055,177.417 93.345,177.127 v1(93.345,172.72)
DGREEN: DD43.9 VT4.B XS9.2 | length 140.8
  Top Layer w0.15: v1(-27.94,190.5) XS9.2@-23.495,190.5 -15.815,198.18 -13.699,198.18 -11.634,200.245 96.935,200.245 DD43.9@99.06,198.12
  Bottom Layer w0.15: VT4.B@-27.94,181.61 v1(-27.94,190.5)